# Altium PCB RPI_HAT_AMP_TAS5756_01.PcbDoc
Units mm, origin at the board's own origin, x right, y up, seen from the top; angles counter-clockwise.
Board outline 65 x 56 mm, 2 copper layers (Top Layer, Bottom Layer), stack 1.571 mm thick; 89 components, 72 nets, 278 pads, 326 vias.
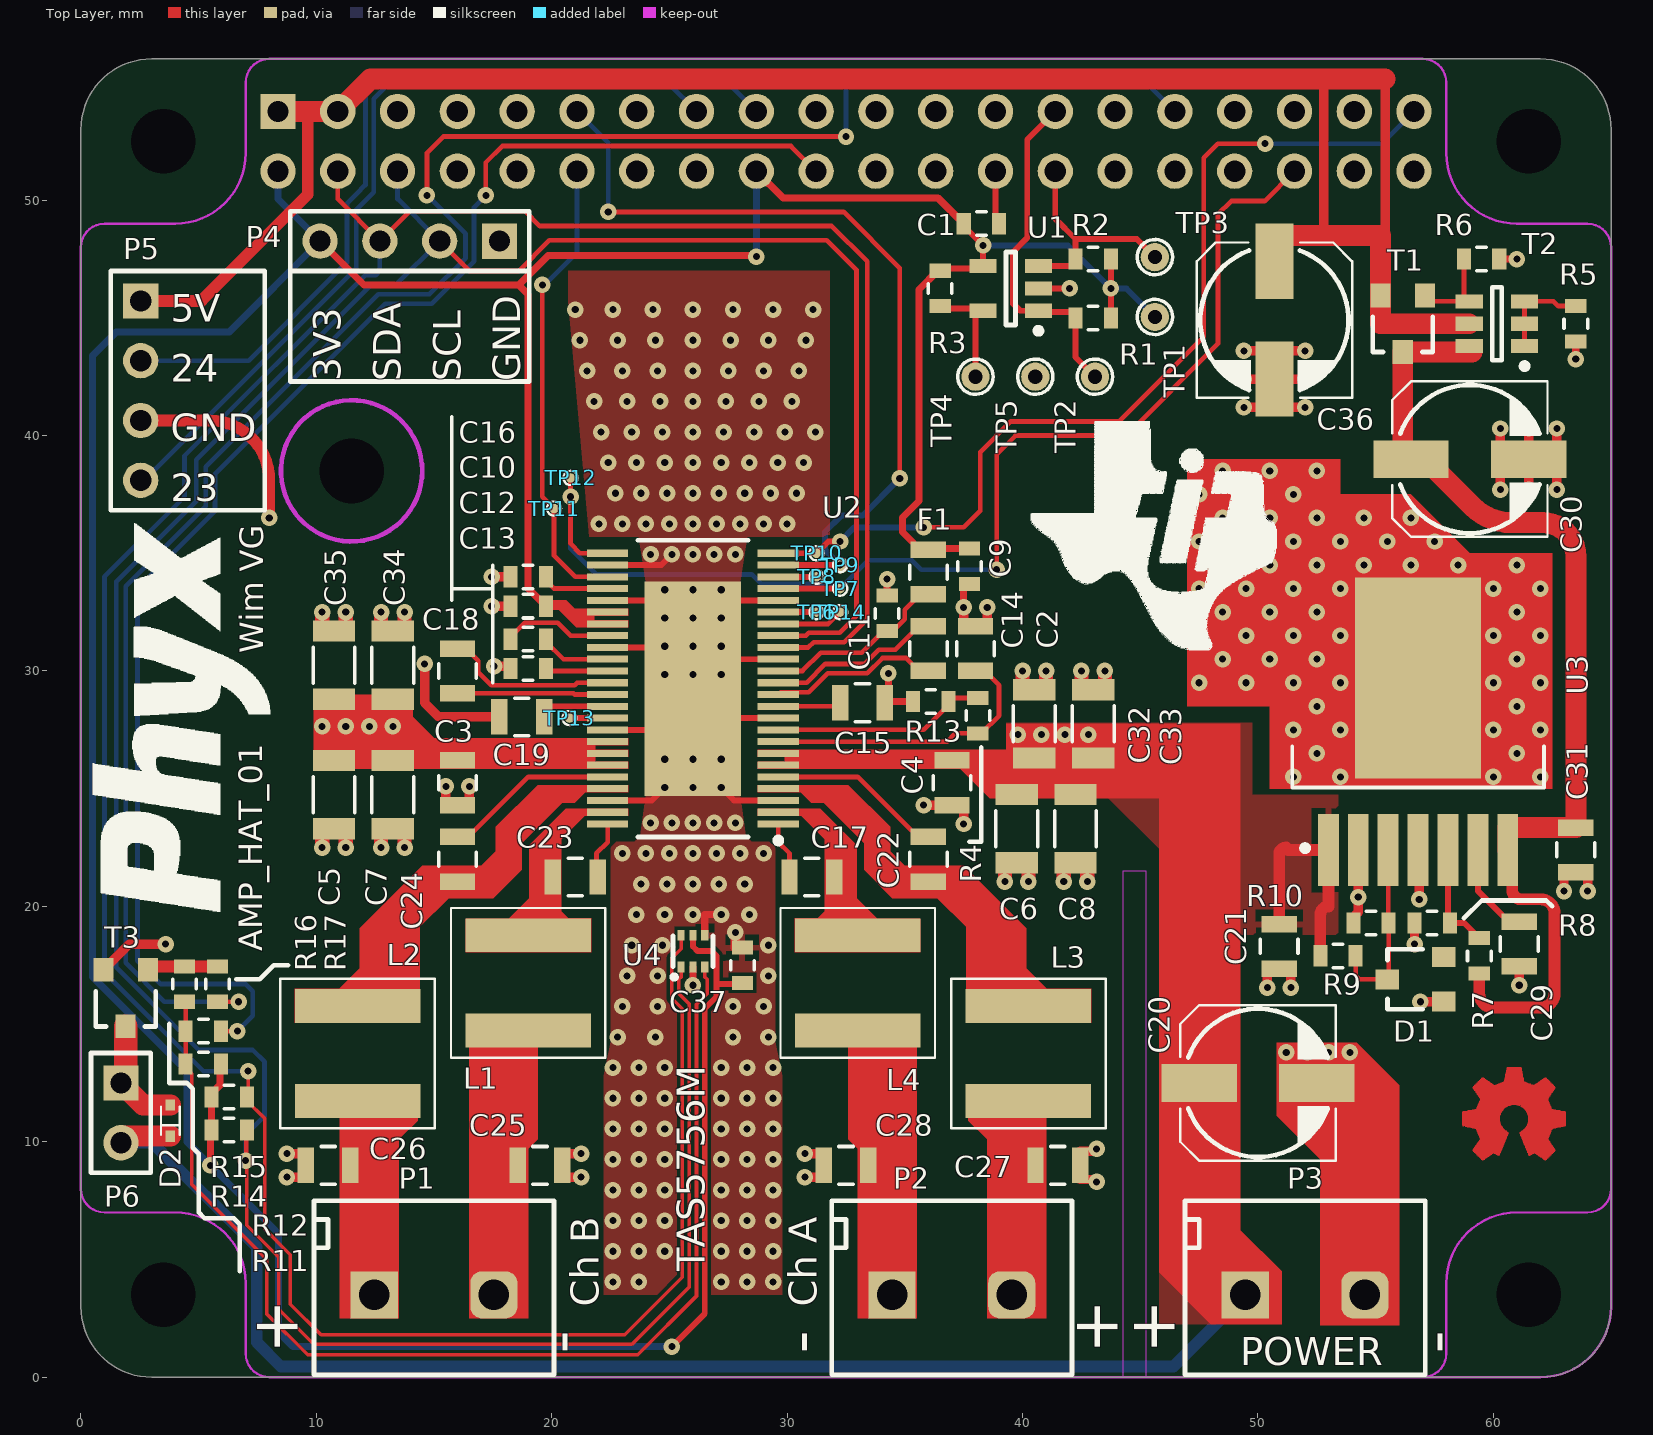
[diagram p0: Top Layer view]
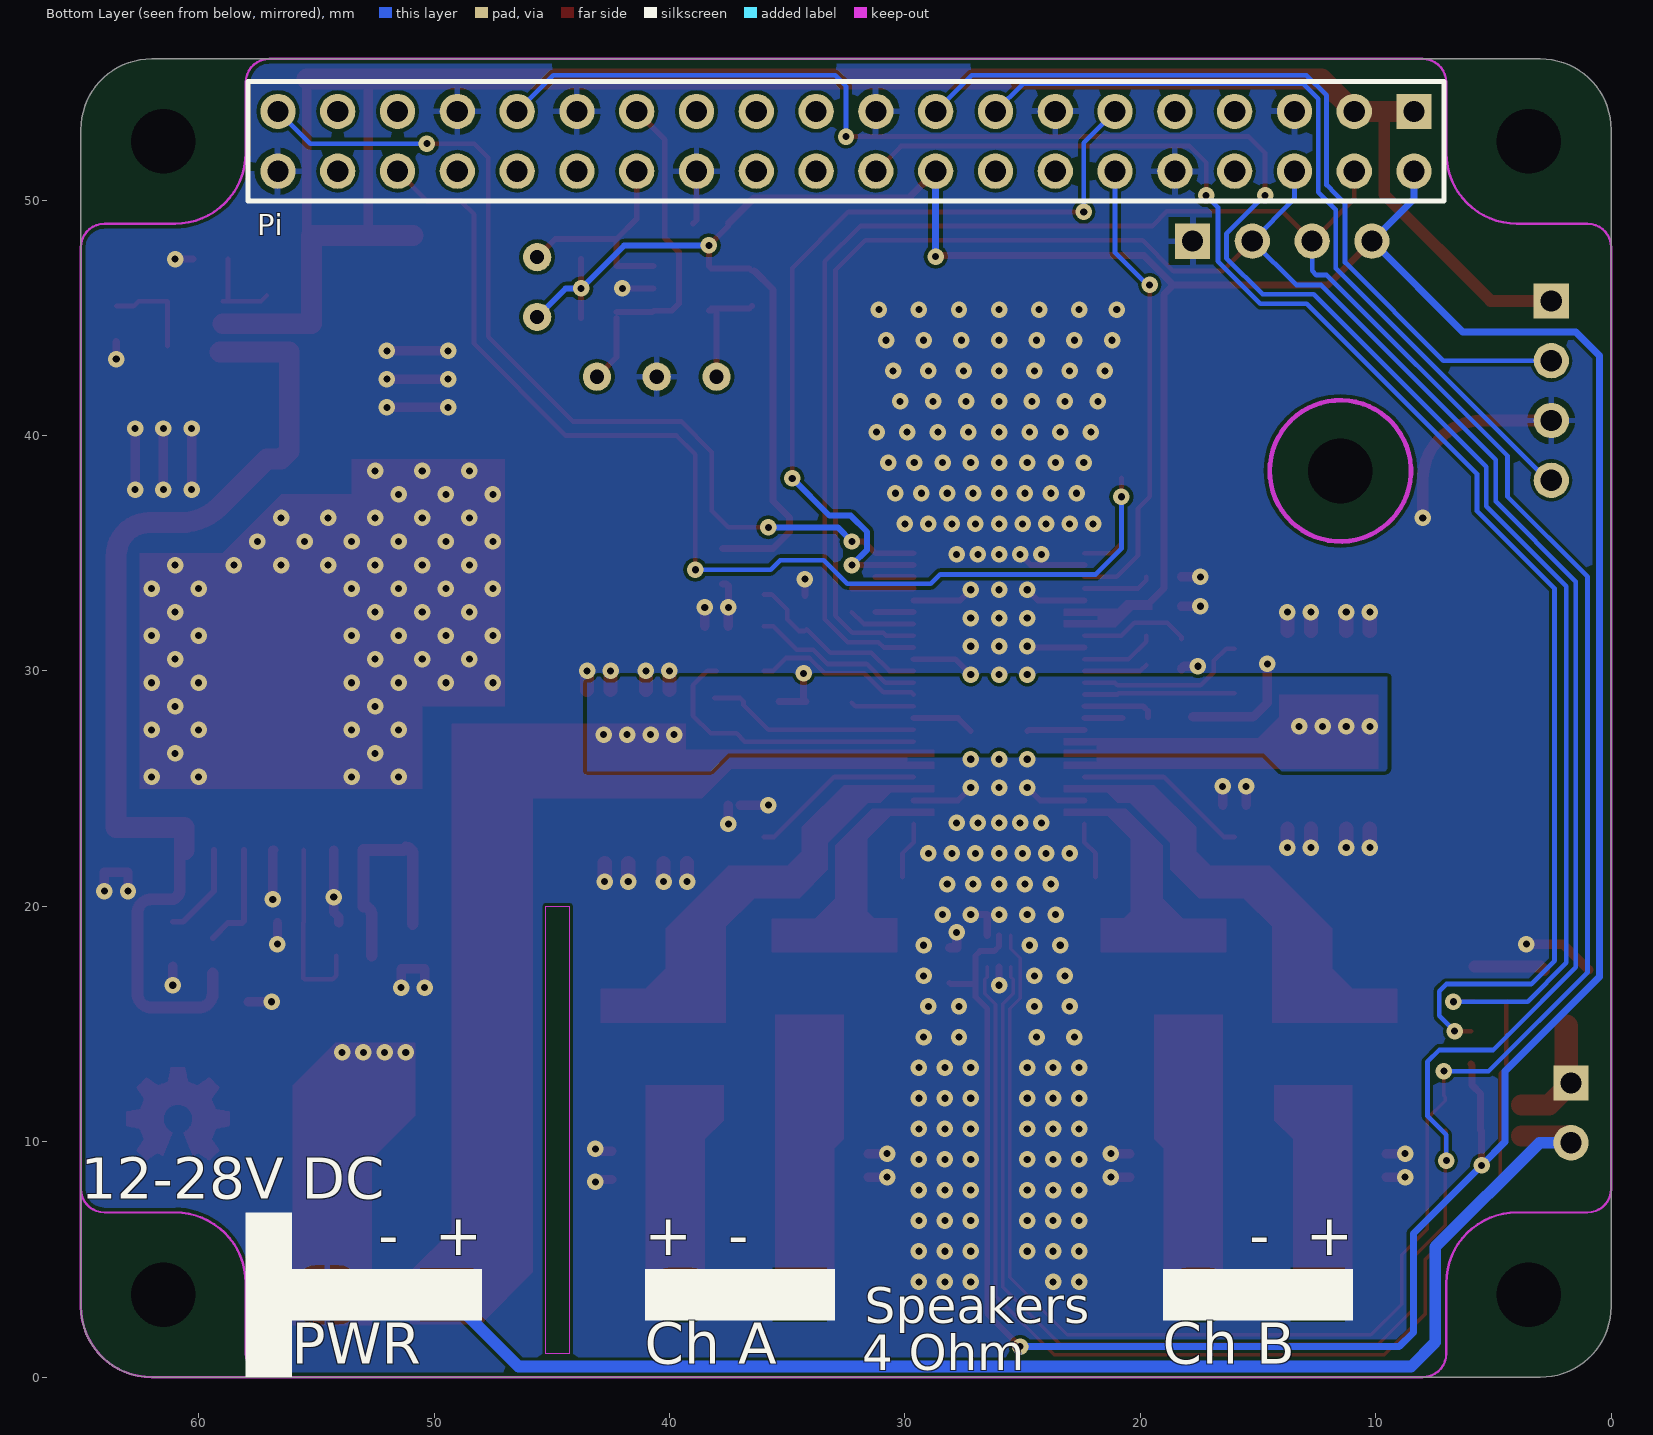
[diagram p1: Bottom Layer view, seen from below]
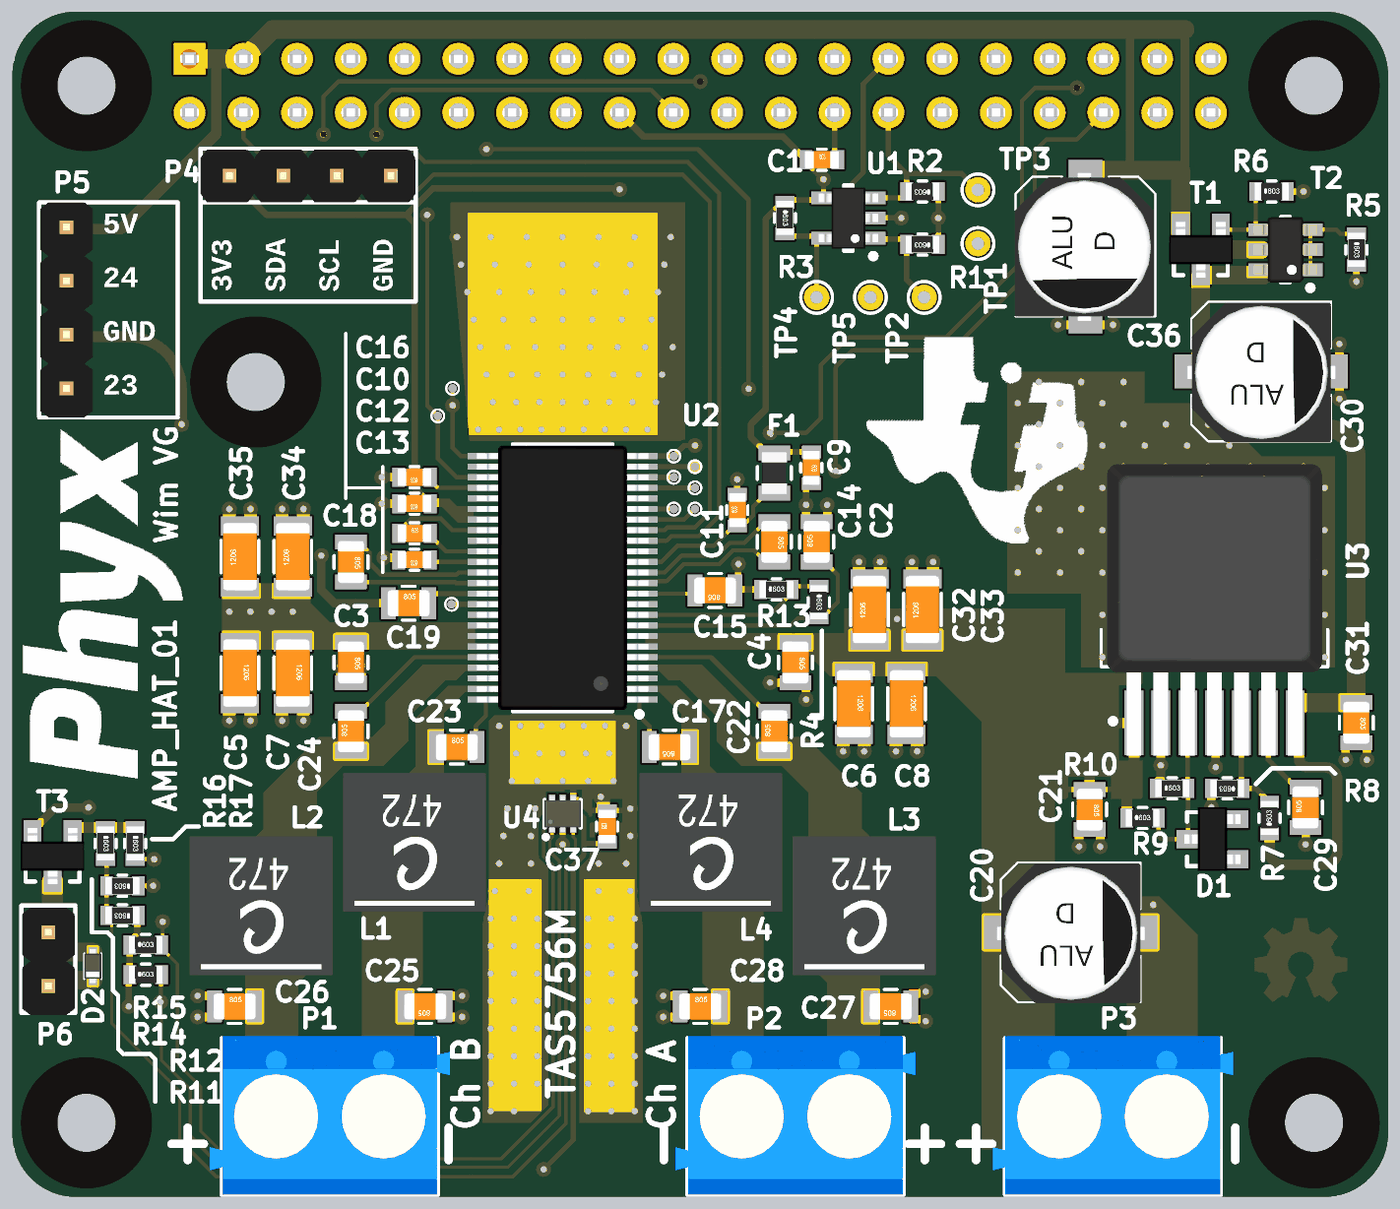
[diagram p2: 3D render of the assembled board from above, using the file's embedded part models]

## Layer stack, top to bottom
Top Solder: solder mask 0.0102, Solder Resist, Dk 3.5
Top Layer: signal copper 0.0356
Dielectric1: core 1.5, FR-4, Dk 4.8
Bottom Layer: signal copper 0.0356
Bottom Solder: solder mask 0.0102, Solder Resist, Dk 3.5

## Board outline
0,3 0,53 cw(c3,53) 3,56 62,56 cw(c62,53) 65,53 65,3 cw(c62,3) 62,0 3,0 cw(c3,3)

## Design rules (kind name [scope] priority, off if disabled: settings)
Clearance [All] p1: gap=0.15
HoleSize [All] p1: absolutevalues=TRUE maxlimit=20 minlimit=0.025 maxpercent=80.000 minpercent=20.000
PolygonConnect PolygonConnect_VIA [IsVia] p1: connectstyle=Direct reliefconductorwidth=0.254 reliefentries=4 polygonreliefangle="90 Angle" airgapwidth=0.254
PolygonConnect PolygonConnect_Cooling [InNet('GND') vs HasFootprint('TI-DCA-R-PDSO-G48')] p2: connectstyle=Direct reliefconductorwidth=0.254 reliefentries=4 polygonreliefangle="90 Angle" airgapwidth=0.254
PolygonConnect [All] p3: connectstyle=Relief reliefconductorwidth=0.254 reliefentries=4 polygonreliefangle="90 Angle" airgapwidth=0.254
RoutingVias [All] p1: holewidth=0.3 width=0.7 viastyle="Through Hole" minholewidth=0.3 minwidth=0.7 maxholewidth=0.6 maxwidth=1.2
SilkToSolderMaskClearance SilkscreenOverComponentPads [IsPad] p1: minsilkscreentomaskgap=0.254 clearancetoexposedcopper=TRUE
SolderMaskExpansion [All] p1: expansion=0.102
Width [All] p1: maxlimit=2 minlimit=0.15 preferedwidth=0.25
28 further rules are at their usual default settings.

## Components (designator, comment, footprint, x,y, rotation, side; value= is the part's Value field where it differs from the comment)
C1 "CAP_CERAMIC" C0603 38.25,49 r0 top
C2 "CAP_CERAMIC" C0805 38,30.95 r90 top
C3 "CAP_CERAMIC" C0805 16,25.25 r270 top
C4 "CAP_CERAMIC" C0805 37,25.25 r270 top
C5 "CAP_CERAMIC" C1206 10.75,24.75 r270 top
C6 "CAP_CERAMIC" C1206 39.75,23.3 r270 top
C7 "CAP_CERAMIC" C1206 13.25,24.75 r270 top
C8 "CAP_CERAMIC" C1206 42.25,23.3 r270 top
C9 "CAP_CERAMIC" C0603 37.75,34.45 r270 top
C10 "CAP_CERAMIC" C0603 19,32.75 r180 top
C11 "CAP_CERAMIC" C0603 34.25,32.45 r90 top
C12 "CAP_CERAMIC" C0603 19,31.35 r0 top
C13 "CAP_CERAMIC" C0603 19,30.1 r180 top
C14 "CAP_CERAMIC" C0805 36,30.95 r270 top
C15 "CAP_CERAMIC" C0805 33.2,28.65 r180 top
C16 "CAP_CERAMIC" C0603 19,34 r180 top
C17 "CAP_CERAMIC" C0805 31.05,21.25 r180 top
C18 "CAP_CERAMIC" C0805 16,30 r270 top
C19 "CAP_CERAMIC" C0805 18.725,28.05 r0 top
C20 "CAP_POL" C6.6X5.4 50,12.5 r90 top
C21 "CAP_CERAMIC" C0805 50.9,18.3 r270 top
C22 "CAP_CERAMIC" C0805 36,22 r90 top
C23 "CAP_CERAMIC" C0805 21,21.25 r0 top
C24 "CAP_CERAMIC" C0805 16,22 r90 top
C25 "CAP_CERAMIC" C0805 19.5,9 r180 top
C26 "CAP_CERAMIC" C0805 10.5,9 r0 top
C27 "CAP_CERAMIC" C0805 41.5,9 r180 top
C28 "CAP_CERAMIC" C0805 32.5,9 r0 top
C29 "CAP_CERAMIC" C0805 61.1,18.4 r90 top
C30 "CAP_POL" C6.6x5.4 59,39 r90 top
C31 "CAP_CERAMIC" C0805 63.5,22.4 r270 top
C32 "CAP_CERAMIC" C1206 40.5,27.75 r90 top
C33 "CAP_CERAMIC" C1206 43,27.75 r90 top
C34 "CAP_CERAMIC" C1206 13.25,30.25 r90 top
C35 "CAP_CERAMIC" C1206 10.75,30.25 r90 top
C36 "CAP_POL" C6.6x5.4 50.7,44.9 r0 top
C37 "CAP_CERAMIC" C0603 28.1,17.5 r90 top
D1 "5.1V Zener 250mW" SOT23-3 56.7,16.9 r90 top
D2 "NSR0240V2T1G Schottky ULTRAFAST, 200MA, 40V" ON_SOD-523 3.8,10.9 r90 top
F1 "FERRITE" L0805 36,34.2 r270 top
L1 "XAL6060-472MEC" XAL6060-472 19,16.75 r270 top
L2 "XAL6060-472MEC" XAL6060-472 11.75,13.75 r270 top
L3 "XAL6060-472MEC" XAL6060-472 40.25,13.75 r270 top
L4 "XAL6060-472MEC" XAL6060-472 33,16.75 r270 top
P1 "2 Way Screw HDR 5,08mm" TERM_BLK-0508-2-90 15,3.5 r0 top
P2 "2 Way Screw HDR 5,08mm" TERM_BLK-0508-2-90 37,3.5 r0 top
P3 "2 Way Screw HDR 5,08mm" TERM_BLK-0508-2-90 52,3.5 r0 top
P4 "Header 4" HDR1X4 17.78,48.26 r180 top
P5 "Header 4" HDR1X4 2.54,45.72 r270 top
P6 "Header 2" HDR1X2 1.7,12.5 r270 top
Pi "Header 20X2" RCPT2X20 32.5,52.5 r0 bottom locked
R1 "RESISTOR" R0603 43,45 r180 top
R2 "RESISTOR" R0603 43,47.5 r180 top
R3 "RESISTOR" R0603 36.5,46.25 r270 top
R4 "RESISTOR" R0603 38.1,28.1 r270 top
R5 "RESISTOR" R0603 63.5,44.75 r270 top
R6 "RESISTOR" R0603 59.5,47.5 r0 top
R7 "RESISTOR" R0603 59.4,17.9 r90 top
R8 "RESISTOR" R0603 57.4,19.3 r180 top
R9 "RESISTOR" R0603 53.4,17.9 r0 top
R10 "RESISTOR" R0603 54.8,19.3 r0 top
R11 "RESISTOR" R0603 6.3,10.5 r0 top
R12 "RESISTOR" R0603 6.3,11.9 r0 top
R13 "RESISTOR" R0603 36.1,28.7 r0 top
R14 "RESISTOR" R0603 5.2,13.3 r180 top
R15 "RESISTOR" R0603 5.2,14.7 r180 top
R16 "RESISTOR" R0603 4.4,16.7 r270 top
R17 "RESISTOR" R0603 5.8,16.7 r270 top
T1 "4A P-Ch MOSFET Vgs -4,5" SOT23-3 56.15,44.75 r180 top
T2 "Matched PNP" SOT23-6 60.15,44.75 r180 top
T3 "2.4A N-Ch MOSFET Vgs 4.5" SOT23-3 1.9,16.1 r180 top
TP1 "TEST_PAD" TP_1.2mm_0.6mm 45.62,45.04 r0 top
TP2 "TEST_PAD" TP_1.2mm_0.6mm 43.08,42.5 r90 top
TP3 "TEST_PAD" TP_1.2mm_0.6mm 45.62,47.58 r90 top
TP4 "TEST_PAD" TP_1.2mm_0.6mm 38,42.5 r90 top
TP5 "TEST_PAD" TP_1.2mm_0.6mm 40.54,42.5 r90 top
TP6 "TEST_PAD" TP_0.4MM 31.25,32.5 r0 top
TP7 "TEST_PAD" TP_0.4MM 32.25,33.5 r0 top
TP8 "TEST_PAD" TP_0.4MM 31.25,34 r0 top
TP9 "TEST_PAD" TP_0.4MM 32.25,34.5 r0 top
TP10 "TEST_PAD" TP_0.4MM 31.25,35 r0 top
TP11 "TEST_PAD" TP_0.4MM 20.1,36.9 r90 top
TP12 "TEST_PAD" TP_0.4MM 20.8,38.2 r90 top
TP13 "TEST_PAD" TP_0.4MM 20.75,28 r90 top
TP14 "TEST_PAD" TP_0.4mm 32.25,32.5 r90 top
U1 "Serial EEPROM 64K (8b) SOT35 I2C" SOT23-5 39.5,46.25 r180 top
U2 "Audio Amp Class D 2ch 2x40W - 1x75W 104SNR" TI-DCA-R-PDSO-G48 26,29.25 r180 top
U3 "0.8V-6V 3A 36Vin" 7TO-PMOD 56.8,28.8 r90 top locked
U4 "I2C Temp sensor High Accuracy" TI_DRL_R-PDSO-N6 26,18.1 r0 top

## Footprints (in the part's own frame and the unit in brackets; to place one, negate y for a bottom-side part, rotate by r counter-clockwise, add the part's x,y. Pads: shape width x height; smd on the part's side, far side on the other; paste and mask are expansions set on the pad)
7TO-PMOD [mm] "Ti Power module"
  rect 3.06x0.89 smd: 1(-6.405,3.81) 2(-6.405,2.54) 3(-6.405,1.27) 4(-6.405,0) 5(-6.405,-1.27) 6(-6.405,-2.54) 7(-6.405,-3.81)
  rect 8.54x5.35 smd: 8(0.9,0)
  silkscreen extent -6.45,-5.35 -2,5.35, body extent -7.95,-5.08 5.83,5.08, height 4.57
C6.6X5.4 [mm] "SMD 6.6 x 5.4 CAP"
  rect 1.6x3.2 smd: 1(0,2.5) 2(0,-2.5)
  silkscreen extent -3.3,-3.3 3.3,3.3, body extent -3.35,-3.51 3.25,3.49, height 5.4
C6.6x5.4 [mm] "SMD 6.6 x 5.4 CAP"
  rect 1.6x3.2 smd: 1(0,2.5) 2(0,-2.5)
  silkscreen extent -3.3,-3.3 3.3,3.3, body extent -3.35,-3.51 3.25,3.49, height 5.4
C0603 [mm]
  rect 0.6x0.9 smd: 1(-0.75,0) 2(0.75,0)
  silkscreen extent -0.2,-0.5 0.2,0.5, body extent -0.8,-0.4 0.8,0.4, height 0.3
C0805 [mm]
  rect 0.7x1.5 smd: 1(-0.95,0) 2(0.95,0)
  silkscreen extent -0.3,-0.8 0.3,0.8, body extent -1,-0.62 1,0.63, height 0.78
C1206 [mm]
  rect 0.9x1.8 smd: 1(-1.45,0) 2(1.45,0)
  silkscreen extent -0.76,-0.89 0.76,0.89, body extent -1.6,-0.8 1.6,0.8, height 1
HDR1X2 [mm] "Connector; Header; 2 Position"
  rect 1.5x1.5 hole 0.9: 1(0,0)
  round 1.5 hole 0.9: 2(2.54,0)
  silkscreen extent -1.27,-1.27 3.81,1.27, body extent -1.17,-1.25 3.91,1.25, height 8.2
HDR1X4 [mm] "Connector; Header; 4 Position"
  rect 1.5x1.5 hole 0.9: 1(0,0)
  round 1.5 hole 0.9: 2(2.54,0) 3(5.08,0) 4(7.62,0)
  silkscreen extent -1.27,-1.27 8.89,1.27, body extent -1.27,-1.23 8.89,1.27, height 8.2
L0805 [mm]
  rect 0.7x1.5 smd: 1(-0.95,0) 2(0.95,0)
  silkscreen extent -0.3,-0.8 0.3,0.8, body extent -1,-0.6 1,0.6, height 0.95
ON_SOD-523 [mm] "ON_SOD-523"
  rect 0.48x0.4 smd: 1(-0.66,0) 2(0.66,0)
  silkscreen extent -0.6,-0.4 0.6,0.4, body extent -0.8,-0.4 0.8,0.4, height 0.7
R0603 [mm]
  rect 0.6x0.9 smd: 1(-0.75,0) 2(0.75,0)
  silkscreen extent -0.2,-0.5 0.2,0.5, body extent -0.8,-0.41 0.8,0.41, height 0.45
RCPT2X20 [mm] "Connector; Receptable; 20x2 Position"
  rect 1.5x1.5 hole 0.9: 1(-24.13,-1.27)
  round 1.5 hole 0.9: 2(-24.13,1.27) 3(-21.59,-1.27) 4(-21.59,1.27) 5(-19.05,-1.27) 6(-19.05,1.27) 7(-16.51,-1.27) 8(-16.51,1.27) 9(-13.97,-1.27) 10(-13.97,1.27) 11(-11.43,-1.27) 12(-11.43,1.27) 13(-8.89,-1.27) 14(-8.89,1.27) 15(-6.35,-1.27) 16(-6.35,1.27) 17(-3.81,-1.27) 18(-3.81,1.27) 19(-1.27,-1.27) 20(-1.27,1.27) 21(1.27,-1.27) 22(1.27,1.27) 23(3.81,-1.27) 24(3.81,1.27) 25(6.35,-1.27) 26(6.35,1.27) 27(8.89,-1.27) 28(8.89,1.27) 29(11.43,-1.27) 30(11.43,1.27) 31(13.97,-1.27) 32(13.97,1.27) 33(16.51,-1.27) 34(16.51,1.27) 35(19.05,-1.27) 36(19.05,1.27) 37(21.59,-1.27) 38(21.59,1.27) 39(24.13,-1.27) 40(24.13,1.27)
  silkscreen extent -25.4,-2.54 25.4,2.54, body extent -25.52,-2.5 25.53,2.5, height 8.5
SOT23-3 [mm] "SOT-23; 3 Leads; Body 3.1 x 2.5 mm, inc. leads (LxW max)"
  rect 0.85x1 smd: 1(-0.95,-1.2) 2(0.95,-1.2) 3(0,1.2)
  silkscreen extent -1.27,-0.3 1.28,1.2, body extent -1.5,-1.32 1.5,1.32, height 1.08
SOT23-5 [mm] "SOT23, 5-Leads, Body 3,1x3,2mm (max), Pitch 0,95mm, IPC Medium Density"
  rect 1.15x0.6 smd: 1(-1.175,0.95) 2(-1.175,0) 3(-1.175,-0.95) 4(1.175,-0.95) 5(1.175,0.95)
  silkscreen extent -1.3,-1.55 0.2,1.92, body extent -1.4,-1.45 1.4,1.45, height 1.45
SOT23-6 [mm] "SOT23, 6-Leads, Body 3,1x3,2mm (max), Pitch 0,95mm, IPC Medium Density"
  rect 1.15x0.6 smd: 1(-1.175,0.95) 2(-1.175,0) 3(-1.175,-0.95) 4(1.175,-0.95) 5(1.175,0) 6(1.175,0.95)
  silkscreen extent -1.3,-1.55 0.2,1.92, body extent -1.5,-1.55 1.5,1.55, height 1.4
TERM_BLK-0508-2-90 [mm] "5.08 mm pitch Terminal Block 2 way"
  rect 2x2 hole 1.3: 1(-2.54,0)
  rrect50% 2x2 hole 1.3: 2(2.54,0)
  silkscreen extent -5.1,-3.4 5.1,4, body extent -5.68,-3.4 5.68,4.1, height 9.95
TI-DCA-R-PDSO-G48 [mm] "HTSSOP, 48-Leads, Body 12,6x6,2mm (max), Pitch 0,50mm, IPC Medium Density, Thermal pad"
  rect 1.75x0.3 smd mask+0: 1(-3.625,5.75) 2(-3.625,5.25) 3(-3.625,4.75) 4(-3.625,4.25) 5(-3.625,3.75) 6(-3.625,3.25) 7(-3.625,2.75) 8(-3.625,2.25) 9(-3.625,1.75) 10(-3.625,1.25) 11(-3.625,0.75) 12(-3.625,0.25) 13(-3.625,-0.25) 14(-3.625,-0.75) 15(-3.625,-1.25) 16(-3.625,-1.75) 17(-3.625,-2.25) 18(-3.625,-2.75) 19(-3.625,-3.25) 20(-3.625,-3.75) 21(-3.625,-4.25) 22(-3.625,-4.75) 23(-3.625,-5.25) 24(-3.625,-5.75) 25(3.625,-5.75) 26(3.625,-5.25) 27(3.625,-4.75) 28(3.625,-4.25) 29(3.625,-3.75) 30(3.625,-3.25) 31(3.625,-2.75) 32(3.625,-2.25) 33(3.625,-1.75) 34(3.625,-1.25) 35(3.625,-0.75) 36(3.625,-0.25) 37(3.625,0.25) 38(3.625,0.75) 39(3.625,1.25) 40(3.625,1.75) 41(3.625,2.25) 42(3.625,2.75) 43(3.625,3.25) 44(3.625,3.75) 45(3.625,4.25) 46(3.625,4.75) 47(3.625,5.25) 48(3.625,5.75)
  rect 4.1x9.1 smd: 49(0,0)
  silkscreen extent -3.75,-6.3 2.35,6.57, body extent -4.05,-6.25 4.05,6.25, height 1.1
TI_DRL_R-PDSO-N6 [mm] "TI_DRL_R-PDSO-N6"
  rect 0.3x0.45 smd: 1(-0.5,-0.675) 2(0,-0.675) 3(0.5,-0.675) 4(0.5,0.675) 5(0,0.675) 6(-0.5,0.675)
  silkscreen extent -0.9,-1.2 0.85,0.65, body extent -0.85,-0.85 0.85,0.85, height 0.6
TP_0.4MM [mm] "0.4mm pad"
  round 0.4 smd mask+0.05: 1(0,0)
  silkscreen extent -0.3,-0.3 0.3,0.3
TP_0.4mm [mm] "0.4mm pad"
  round 0.4 smd mask+0.05: 1(0,0)
  silkscreen extent -0.3,-0.3 0.3,0.3
TP_1.2mm_0.6mm [mm] "1.2mm pad, 0.6mm hole"
  round 1.2 hole 0.6 mask+0.05: 1(0,0)
  silkscreen extent -0.75,-0.75 0.75,0.75
XAL6060-472 [mm] "Coilcraft XAL6060-472"